# KiCad board rabbit_mask_capacitors.kicad_pcb (continued)
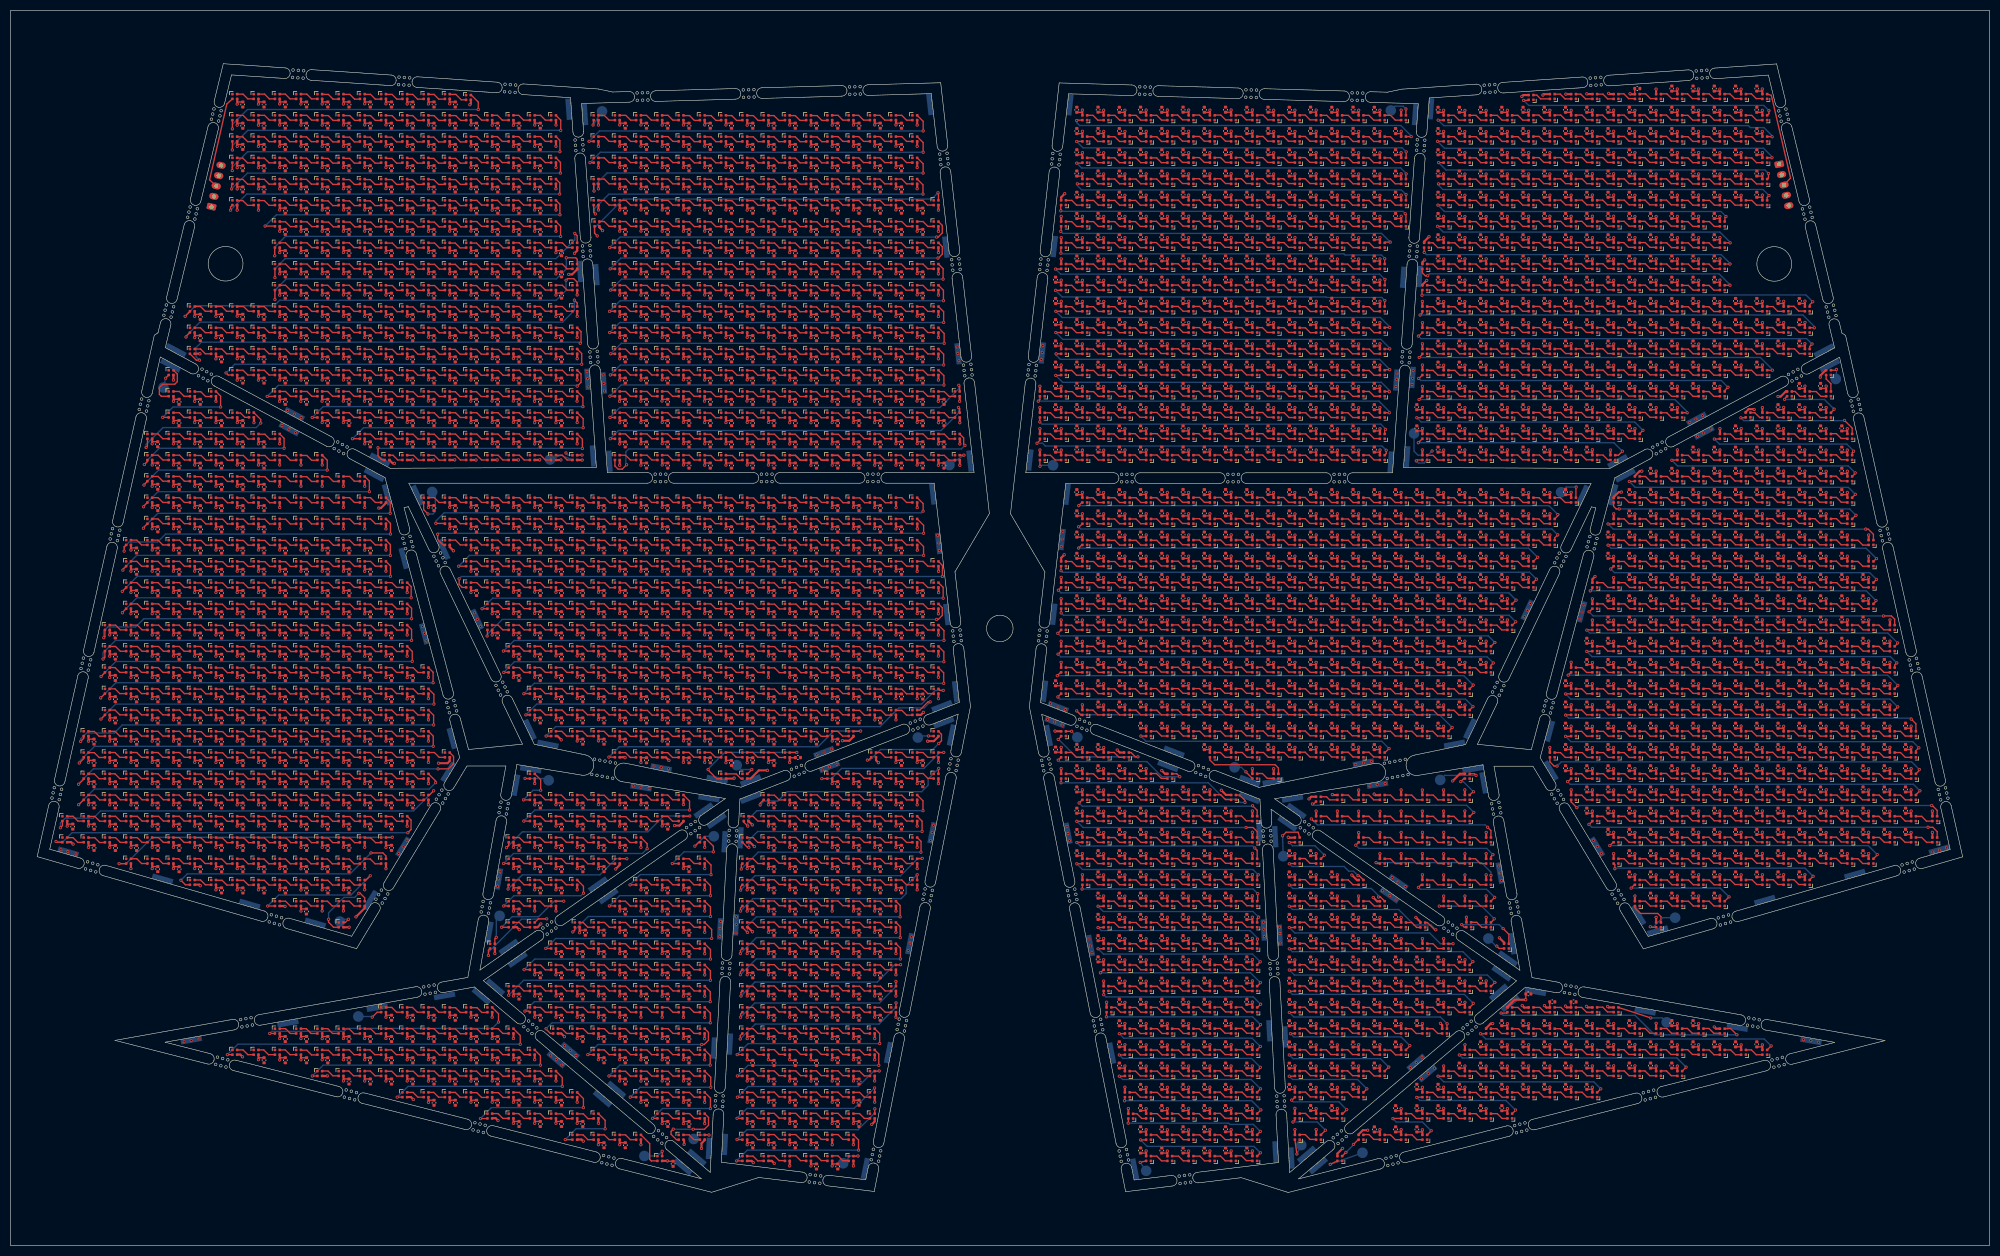
[diagram p0: board, top side]
## Placement (name value [footprint] x y rotation side) (continued)
C1485#843  0.1uF  [C_0402_1005Metric]  352.7 105.86 90 top
C1485#844  0.1uF  [C_0402_1005Metric]  139.7 62.86 270 top
C1485#845  0.1uF  [C_0402_1005Metric]  159.7 122.86 270 top
C1485#846  0.1uF  [C_0402_1005Metric]  236.7 129.86 90 top
C1485#847  0.1uF  [C_0402_1005Metric]  171.7 103.36 270 top
C1485#848  0.1uF  [C_0402_1005Metric]  99.7 174.86 270 top
C1485#849  0.1uF  [C_0402_1005Metric]  139.7 110.86 270 top
C1485#850  0.1uF  [C_0402_1005Metric]  159.7 30.86 270 top
C1485#851  0.1uF  [C_0402_1005Metric]  111.72 78.84 270 top
C1485#852  0.1uF  [C_0402_1005Metric]  123.7 102.86 270 top
C1485#853  0.1uF  [C_0402_1005Metric]  336.7 121.86 90 top
C1485#854  0.1uF  [C_0402_1005Metric]  320.7 141.86 90 top
C1485#855  0.1uF  [C_0402_1005Metric]  127.7 158.86 270 top
C1485#856  0.1uF  [C_0402_1005Metric]  320.7 89.86 90 top
C1485#857  0.1uF  [C_0402_1005Metric]  348.7 125.86 90 top
C1485#858  0.1uF  [C_0402_1005Metric]  284.7 177.86 90 top
C1485#859  0.1uF  [C_0402_1005Metric]  268.7 189.86 90 top
C1485#860  0.1uF  [C_0402_1005Metric]  39.72 106.84 270 top
C1485#861  0.1uF  [C_0402_1005Metric]  107.7 126.86 270 top
C1485#862  0.1uF  [C_0402_1005Metric]  256.7 181.86 90 top
C1485#863  0.1uF  [C_0402_1005Metric]  236.7 193.88 90 top
C1485#864  0.1uF  [C_0402_1005Metric]  99.7 106.86 270 top
C1485#865  0.1uF  [C_0402_1005Metric]  256.7 133.86 90 top
C1485#866  0.1uF  [C_0402_1005Metric]  143.7 170.86 270 top
C1485#867  0.1uF  [C_0402_1005Metric]  75.7 198.86 270 top
C1485#868  0.1uF  [C_0402_1005Metric]  143.7 206.86 270 top
C1485#869  0.1uF  [C_0402_1005Metric]  139.7 70.86 270 top
C1485#870  0.1uF  [C_0402_1005Metric]  316.7 77.86 90 top
C1485#871  0.1uF  [C_0402_1005Metric]  224.7 17.86 90 top
C1485#872  0.1uF  [C_0402_1005Metric]  212.7 17.86 90 top
C1485#873  0.1uF  [C_0402_1005Metric]  256.7 125.86 90 top
C1485#874  0.1uF  [C_0402_1005Metric]  71.7 86.86 270 top
C1485#875  0.1uF  [C_0402_1005Metric]  127.7 94.86 270 top
C1485#876  0.1uF  [C_0402_1005Metric]  240.7 57.84 90 top
C1485#877  0.1uF  [C_0402_1005Metric]  216.7 21.86 90 top
C1485#878  0.1uF  [C_0402_1005Metric]  79.7 38.86 270 top
C1485#879  0.1uF  [C_0402_1005Metric]  196.7 161.86 90 top
C1485#880  0.1uF  [C_0402_1005Metric]  159.7 162.86 270 top
C1485#881  0.1uF  [C_0402_1005Metric]  212.7 129.86 90 top
C1485#882  0.1uF  [C_0402_1005Metric]  312.7 197.86 90 top
C1485#883  0.1uF  [C_0402_1005Metric]  304.7 109.86 90 top
C1485#884  0.1uF  [C_0402_1005Metric]  123.7 150.84 270 top
C1485#885  0.1uF  [C_0402_1005Metric]  324.7 69.86 90 top
C1485#886  0.1uF  [C_0402_1005Metric]  300.7 161.86 90 top
C1485#887  0.1uF  [C_0402_1005Metric]  268.7 177.86 90 top
C1485#888  0.1uF  [C_0402_1005Metric]  204.7 189.88 90 top
C1485#889  0.1uF  [C_0402_1005Metric]  256.7 173.86 90 top
C1485#890  0.1uF  [C_0402_1005Metric]  131.7 174.86 270 top
C1485#891  0.1uF  [C_0402_1005Metric]  212.7 209.88 90 top
C1485#892  0.1uF  [C_0402_1005Metric]  115.7 202.86 270 top
C1485#893  0.1uF  [C_0402_1005Metric]  67.7 194.86 270 top
C1485#894  0.1uF  [C_0402_1005Metric]  151.7 46.86 270 top
C1485#895  0.1uF  [C_0402_1005Metric]  220.71 77.84 90 top
C1485#896  0.1uF  [C_0402_1005Metric]  232.7 49.86 90 top
C1485#897  0.1uF  [C_0402_1005Metric]  296.7 189.86 90 top
C1485#898  0.1uF  [C_0402_1005Metric]  99.7 182.86 270 top
C1485#899  0.1uF  [C_0402_1005Metric]  228.7 193.88 90 top
C1485#900  0.1uF  [C_0402_1005Metric]  95.7 126.86 270 top
C1485#901  0.1uF  [C_0402_1005Metric]  67.68 102.88 270 top
C1485#902  0.1uF  [C_0402_1005Metric]  224.7 29.84 90 top
C1485#903  0.1uF  [C_0402_1005Metric]  59.72 130.84 270 top
C1485#904  0.1uF  [C_0402_1005Metric]  159.7 130.86 270 top
C1485#905  0.1uF  [C_0402_1005Metric]  159.7 38.86 270 top
C1485#906  0.1uF  [C_0402_1005Metric]  284.7 201.86 90 top
C1485#907  0.1uF  [C_0402_1005Metric]  200.7 173.88 90 top
C1485#908  0.1uF  [C_0402_1005Metric]  123.7 98.86 270 top
C1485#909  0.1uF  [C_0402_1005Metric]  216.7 113.86 90 top
C1485#910  0.1uF  [C_0402_1005Metric]  328.7 145.86 90 top
C1485#911  0.1uF  [C_0402_1005Metric]  240.7 37.84 90 top
C1485#912  0.1uF  [C_0402_1005Metric]  240.7 201.86 90 top
C1485#913  0.1uF  [C_0402_1005Metric]  340.7 145.86 90 top
C1485#914  0.1uF  [C_0402_1005Metric]  31.72 90.84 270 top
C1485#915  0.1uF  [C_0402_1005Metric]  167.7 162.86 270 top
C1485#916  0.1uF  [C_0402_1005Metric]  312.7 65.86 90 top
C1485#917  0.1uF  [C_0402_1005Metric]  268.7 201.86 90 top
C1485#918  0.1uF  [C_0402_1005Metric]  119.7 210.86 270 top
C1485#919  0.1uF  [C_0402_1005Metric]  244.7 133.86 90 top
C1485#920  0.1uF  [C_0402_1005Metric]  119.7 38.86 270 top
C1485#921  0.1uF  [C_0402_1005Metric]  147.7 194.86 270 top
C1485#922  0.1uF  [C_0402_1005Metric]  312.7 213.86 90 top
C1485#923  0.1uF  [C_0402_1005Metric]  151.7 50.86 270 top
C1485#924  0.1uF  [C_0402_1005Metric]  47.72 94.84 270 top
C1485#925  0.1uF  [C_0402_1005Metric]  83.7 166.86 270 top
C1485#926  0.1uF  [C_0402_1005Metric]  123.7 66.86 270 top
C1485#927  0.1uF  [C_0402_1005Metric]  151.7 182.86 270 top
C1485#928  0.1uF  [C_0402_1005Metric]  336.7 153.86 90 top
C1485#929  0.1uF  [C_0402_1005Metric]  95.7 34.86 270 top
C1485#930  0.1uF  [C_0402_1005Metric]  220.7 49.86 90 top
C1485#931  0.1uF  [C_0402_1005Metric]  332.7 153.86 90 top
C1485#932  0.1uF  [C_0402_1005Metric]  51.72 130.84 270 top
C1485#933  0.1uF  [C_0402_1005Metric]  59.72 66.84 270 top
C1485#934  0.1uF  [C_0402_1005Metric]  268.7 137.86 90 top
C1485#935  0.1uF  [C_0402_1005Metric]  43.7 114.88 270 top
C1485#936  0.1uF  [C_0402_1005Metric]  232.7 57.86 90 top
C1485#937  0.1uF  [C_0402_1005Metric]  75.7 38.86 270 top
C1485#938  0.1uF  [C_0402_1005Metric]  248.7 93.84 90 top
C1485#939  0.1uF  [C_0402_1005Metric]  292.7 161.86 90 top
C1485#940  0.1uF  [C_0402_1005Metric]  252.7 149.86 90 top
C1485#941  0.1uF  [C_0402_1005Metric]  240.7 169.88 90 top
C1485#942  0.1uF  [C_0402_1005Metric]  131.7 91.36 270 top
C1485#943  0.1uF  [C_0402_1005Metric]  155.7 82.86 270 top
C1485#944  0.1uF  [C_0402_1005Metric]  99.7 162.86 270 top
C1485#945  0.1uF  [C_0402_1005Metric]  356.7 77.86 90 top
C1485#946  0.1uF  [C_0402_1005Metric]  43.72 94.84 270 top
C1485#947  0.1uF  [C_0402_1005Metric]  123.7 38.86 270 top
C1485#948  0.1uF  [C_0402_1005Metric]  171.7 122.86 270 top
C1485#949  0.1uF  [C_0402_1005Metric]  95.7 70.86 270 top
C1485#950  0.1uF  [C_0402_1005Metric]  244.7 33.84 90 top
C1485#951  0.1uF  [C_0402_1005Metric]  131.7 118.86 270 top
C1485#952  0.1uF  [C_0402_1005Metric]  143.7 58.86 270 top
C1485#953  0.1uF  [C_0402_1005Metric]  87.7 174.84 270 top
C1485#954  0.1uF  [C_0402_1005Metric]  264.7 125.86 90 top
C1485#955  0.1uF  [C_0402_1005Metric]  244.7 193.88 90 top
C1485#956  0.1uF  [C_0402_1005Metric]  308.7 193.86 90 top
C1485#957  0.1uF  [C_0402_1005Metric]  111.7 18.86 270 top
C1485#958  0.1uF  [C_0402_1005Metric]  163.7 110.86 270 top
C1485#959  0.1uF  [C_0402_1005Metric]  55.7 190.86 270 top
C1485#960  0.1uF  [C_0402_1005Metric]  103.7 118.86 270 top
C1485#961  0.1uF  [C_0402_1005Metric]  272.7 117.86 90 top
C1485#962  0.1uF  [C_0402_1005Metric]  312.7 69.86 90 top
C1485#963  0.1uF  [C_0402_1005Metric]  280.7 209.86 90 top
C1485#964  0.1uF  [C_0402_1005Metric]  59.7 174.84 270 top
C1485#965  0.1uF  [C_0402_1005Metric]  63.7 182.86 270 top
C1485#966  0.1uF  [C_0402_1005Metric]  260.71 21.84 90 top
C1485#967  0.1uF  [C_0402_1005Metric]  316.7 209.86 90 top
C1485#968  0.1uF  [C_0402_1005Metric]  196.7 169.86 90 top
C1485#969  0.1uF  [C_0402_1005Metric]  320.7 85.86 90 top
C1485#970  0.1uF  [C_0402_1005Metric]  312.7 93.86 90 top
C1485#971  0.1uF  [C_0402_1005Metric]  111.7 50.86 270 top
C1485#972  0.1uF  [C_0402_1005Metric]  151.7 190.86 270 top
C1485#973  0.1uF  [C_0402_1005Metric]  228.7 185.88 90 top
C1485#974  0.1uF  [C_0402_1005Metric]  208.7 37.86 90 top
C1485#975  0.1uF  [C_0402_1005Metric]  216.7 57.86 90 top
C1485#976  0.1uF  [C_0402_1005Metric]  300.7 77.86 90 top
C1485#977  0.1uF  [C_0402_1005Metric]  200.7 189.86 90 top
C1485#978  0.1uF  [C_0402_1005Metric]  51.68 70.88 270 top
C1485#979  0.1uF  [C_0402_1005Metric]  55.7 38.86 270 top
C1485#980  0.1uF  [C_0402_1005Metric]  248.7 173.88 90 top
C1485#981  0.1uF  [C_0402_1005Metric]  340.7 125.86 90 top
C1485#982  0.1uF  [C_0402_1005Metric]  51.7 182.86 270 top
C1485#983  0.1uF  [C_0402_1005Metric]  200.7 141.86 90 top
C1485#984  0.1uF  [C_0402_1005Metric]  220.7 181.86 90 top
C1485#985  0.1uF  [C_0402_1005Metric]  344.7 77.86 90 top
C1485#986  0.1uF  [C_0402_1005Metric]  212.7 53.86 90 top
C1485#987  0.1uF  [C_0402_1005Metric]  320.7 213.86 90 top
C1485#988  0.1uF  [C_0402_1005Metric]  196.7 165.86 90 top
C1485#989  0.1uF  [C_0402_1005Metric]  107.72 74.84 270 top
C1485#990  0.1uF  [C_0402_1005Metric]  328.7 113.86 90 top
C1485#991  0.1uF  [C_0402_1005Metric]  147.7 138.86 270 top
C1485#992  0.1uF  [C_0402_1005Metric]  55.7 186.86 270 top
C1485#993  0.1uF  [C_0402_1005Metric]  55.72 98.84 270 top
C1485#994  0.1uF  [C_0402_1005Metric]  75.7 166.86 270 top
C1485#995  0.1uF  [C_0402_1005Metric]  288.7 205.86 90 top
C1485#996  0.1uF  [C_0402_1005Metric]  212.7 57.86 90 top
C1485#997  0.1uF  [C_0402_1005Metric]  328.7 173.86 90 top
C1485#998  0.1uF  [C_0402_1005Metric]  216.7 61.86 90 top
C1485#999  0.1uF  [C_0402_1005Metric]  288.7 193.86 90 top
C1485#1000  0.1uF  [C_0402_1005Metric]  35.72 130.84 270 top
C1485#1001  0.1uF  [C_0402_1005Metric]  35.72 126.84 270 top
C1485#1002  0.1uF  [C_0402_1005Metric]  151.7 114.86 270 top
C1485#1003  0.1uF  [C_0402_1005Metric]  256.7 193.86 90 top
C1485#1004  0.1uF  [C_0402_1005Metric]  312.7 161.86 90 top
C1485#1005  0.1uF  [C_0402_1005Metric]  131.7 190.86 270 top
C1485#1006  0.1uF  [C_0402_1005Metric]  224.7 137.86 90 top
C1485#1007  0.1uF  [C_0402_1005Metric]  63.72 126.86 270 top
C1485#1008  0.1uF  [C_0402_1005Metric]  276.7 177.86 90 top
C1485#1009  0.1uF  [C_0402_1005Metric]  47.7 150.86 270 top
C1485#1010  0.1uF  [C_0402_1005Metric]  312.7 113.86 90 top
C1485#1011  0.1uF  [C_0402_1005Metric]  147.7 42.86 270 top
C1485#1012  0.1uF  [C_0402_1005Metric]  204.7 205.88 90 top
C1485#1013  0.1uF  [C_0402_1005Metric]  204.7 113.86 90 top
C1485#1014  0.1uF  [C_0402_1005Metric]  23.72 90.84 270 top
C1485#1015  0.1uF  [C_0402_1005Metric]  208.71 101.86 90 top
C1485#1016  0.1uF  [C_0402_1005Metric]  336.7 97.86 90 top
C1485#1017  0.1uF  [C_0402_1005Metric]  43.7 154.86 270 top
C1485#1018  0.1uF  [C_0402_1005Metric]  83.7 154.86 270 top
C1485#1019  0.1uF  [C_0402_1005Metric]  280.7 169.86 90 top
C1485#1020  0.1uF  [C_0402_1005Metric]  256.7 197.86 90 top
C1485#1021  0.1uF  [C_0402_1005Metric]  212.7 25.86 90 top
C1485#1022  0.1uF  [C_0402_1005Metric]  224.7 85.86 90 top
C1485#1023  0.1uF  [C_0402_1005Metric]  316.7 97.86 90 top
C1485#1024  0.1uF  [C_0402_1005Metric]  159.7 210.86 270 top
C1485#1025  0.1uF  [C_0402_1005Metric]  252.7 205.88 90 top
C1485#1026  0.1uF  [C_0402_1005Metric]  292.7 169.86 90 top
C1485#1027  0.1uF  [C_0402_1005Metric]  224.7 197.86 90 top
C1485#1028  0.1uF  [C_0402_1005Metric]  216.7 149.88 90 top
C1485#1029  0.1uF  [C_0402_1005Metric]  27.72 122.84 270 top
C1485#1030  0.1uF  [C_0402_1005Metric]  51.72 94.84 270 top
C1485#1031  0.1uF  [C_0402_1005Metric]  83.7 198.86 270 top
C1485#1032  0.1uF  [C_0402_1005Metric]  292.7 33.86 90 top
C1485#1033  0.1uF  [C_0402_1005Metric]  163.7 114.86 270 top
C1485#1034  0.1uF  [C_0402_1005Metric]  119.7 134.86 270 top
C1485#1035  0.1uF  [C_0402_1005Metric]  284.7 141.86 90 top
C1485#1036  0.1uF  [C_0402_1005Metric]  212.7 189.88 90 top
C1485#1037  0.1uF  [C_0402_1005Metric]  200.7 201.86 90 top
C1485#1038  0.1uF  [C_0402_1005Metric]  196.7 105.86 90 top
C1485#1039  0.1uF  [C_0402_1005Metric]  107.7 138.86 270 top
C1485#1040  0.1uF  [C_0402_1005Metric]  328.7 109.86 90 top
C1485#1041  0.1uF  [C_0402_1005Metric]  272.7 189.86 90 top
C1485#1042  0.1uF  [C_0402_1005Metric]  220.7 197.88 90 top
C1485#1043  0.1uF  [C_0402_1005Metric]  288.7 181.86 90 top
C1485#1044  0.1uF  [C_0402_1005Metric]  139.7 166.86 270 top
C1485#1045  0.1uF  [C_0402_1005Metric]  135.7 162.86 270 top
C1485#1046  0.1uF  [C_0402_1005Metric]  288.7 29.86 90 top
C1485#1047  0.1uF  [C_0402_1005Metric]  208.7 133.86 90 top
C1485#1048  0.1uF  [C_0402_1005Metric]  71.7 158.86 270 top
C1485#1049  0.1uF  [C_0402_1005Metric]  284.7 205.86 90 top
C1485#1050  0.1uF  [C_0402_1005Metric]  248.7 157.88 90 top
C1485#1051  0.1uF  [C_0402_1005Metric]  127.7 146.86 270 top
C1485#1052  0.1uF  [C_0402_1005Metric]  55.7 34.86 270 top
C1485#1053  0.1uF  [C_0402_1005Metric]  171.7 146.86 270 top
C1485#1054  0.1uF  [C_0402_1005Metric]  304.7 41.86 90 top
C1485#1055  0.1uF  [C_0402_1005Metric]  284.7 149.86 90 top
C1485#1056  0.1uF  [C_0402_1005Metric]  119.7 150.84 270 top
C1485#1057  0.1uF  [C_0402_1005Metric]  308.7 81.86 90 top
C1485#1058  0.1uF  [C_0402_1005Metric]  71.7 162.86 270 top
C1485#1059  0.1uF  [C_0402_1005Metric]  312.7 89.86 90 top
C1485#1060  0.1uF  [C_0402_1005Metric]  95.7 114.86 270 top
C1485#1061  0.1uF  [C_0402_1005Metric]  256.7 169.86 90 top
C1485#1062  0.1uF  [C_0402_1005Metric]  216.71 77.84 90 top
C1485#1063  0.1uF  [C_0402_1005Metric]  99.7 194.86 270 top
C1485#1064  0.1uF  [C_0402_1005Metric]  75.7 106.86 270 top
C1485#1065  0.1uF  [C_0402_1005Metric]  316.7 165.86 90 top
C1485#1066  0.1uF  [C_0402_1005Metric]  224.7 169.88 90 top
C1485#1067  0.1uF  [C_0402_1005Metric]  19.7 102.86 270 top
C1485#1068  0.1uF  [C_0402_1005Metric]  244.7 201.88 90 top
C1485#1069  0.1uF  [C_0402_1005Metric]  163.7 178.86 270 top
C1485#1070  0.1uF  [C_0402_1005Metric]  240.7 73.86 90 top
C1485#1071  0.1uF  [C_0402_1005Metric]  119.7 198.86 270 top
C1485#1072  0.1uF  [C_0402_1005Metric]  139.7 118.86 270 top
C1485#1073  0.1uF  [C_0402_1005Metric]  260.7 137.86 90 top
C1485#1074  0.1uF  [C_0402_1005Metric]  208.7 105.86 90 top
C1485#1075  0.1uF  [C_0402_1005Metric]  324.7 205.86 90 top
C1485#1076  0.1uF  [C_0402_1005Metric]  51.72 78.84 270 top
C1485#1077  0.1uF  [C_0402_1005Metric]  123.7 206.86 270 top
C1485#1078  0.1uF  [C_0402_1005Metric]  119.7 66.86 270 top
C1485#1079  0.1uF  [C_0402_1005Metric]  147.7 66.86 270 top
C1485#1080  0.1uF  [C_0402_1005Metric]  83.69 30.86 270 top
C1485#1081  0.1uF  [C_0402_1005Metric]  151.7 158.86 270 top
C1485#1082  0.1uF  [C_0402_1005Metric]  167.7 106.86 270 top
C1485#1083  0.1uF  [C_0402_1005Metric]  256.7 49.84 90 top
C1485#1084  0.1uF  [C_0402_1005Metric]  71.7 34.86 270 top
C1485#1085  0.1uF  [C_0402_1005Metric]  232.7 41.84 90 top
C1485#1086  0.1uF  [C_0402_1005Metric]  320.7 117.86 90 top
C1485#1087  0.1uF  [C_0402_1005Metric]  163.7 122.86 270 top
C1485#1088  0.1uF  [C_0402_1005Metric]  308.7 165.86 90 top
C1485#1089  0.1uF  [C_0402_1005Metric]  208.7 61.86 90 top
C1485#1090  0.1uF  [C_0402_1005Metric]  272.7 49.84 90 top
C1485#1091  0.1uF  [C_0402_1005Metric]  256.7 185.86 90 top
C1485#1092  0.1uF  [C_0402_1005Metric]  320.7 197.86 90 top
C1485#1093  0.1uF  [C_0402_1005Metric]  71.7 166.86 270 top
C1485#1094  0.1uF  [C_0402_1005Metric]  312.7 133.86 90 top
C1485#1095  0.1uF  [C_0402_1005Metric]  87.7 206.86 270 top
C1485#1096  0.1uF  [C_0402_1005Metric]  232.7 169.88 90 top
C1485#1097  0.1uF  [C_0402_1005Metric]  87.7 30.86 270 top
C1485#1098  0.1uF  [C_0402_1005Metric]  236.7 149.86 90 top
C1485#1099  0.1uF  [C_0402_1005Metric]  159.7 102.86 270 top
C1485#1100  0.1uF  [C_0402_1005Metric]  91.7 166.86 270 top
C1485#1101  0.1uF  [C_0402_1005Metric]  55.7 182.86 270 top
C1485#1102  0.1uF  [C_0402_1005Metric]  248.7 117.86 90 top
C1485#1103  0.1uF  [C_0402_1005Metric]  204.7 213.88 90 top
C1485#1104  0.1uF  [C_0402_1005Metric]  131.7 194.86 270 top
C1485#1105  0.1uF  [C_0402_1005Metric]  99.72 66.84 270 top
C1485#1106  0.1uF  [C_0402_1005Metric]  260.7 61.84 90 top
C1485#1107  0.1uF  [C_0402_1005Metric]  256.7 161.86 90 top
C1485#1108  0.1uF  [C_0402_1005Metric]  228.7 205.88 90 top
C1485#1109  0.1uF  [C_0402_1005Metric]  67.72 122.84 270 top
C1485#1110  0.1uF  [C_0402_1005Metric]  332.7 129.86 90 top
C1485#1111  0.1uF  [C_0402_1005Metric]  111.7 114.86 270 top
C1485#1112  0.1uF  [C_0402_1005Metric]  111.7 54.86 270 top
C1485#1113  0.1uF  [C_0402_1005Metric]  151.7 62.86 270 top
C1485#1114  0.1uF  [C_0402_1005Metric]  159.7 26.86 270 top
C1485#1115  0.1uF  [C_0402_1005Metric]  336.7 89.86 90 top
C1485#1116  0.1uF  [C_0402_1005Metric]  135.7 146.86 270 top
C1485#1117  0.1uF  [C_0402_1005Metric]  300.7 189.86 90 top
C1485#1118  0.1uF  [C_0402_1005Metric]  111.7 46.86 270 top
C1485#1119  0.1uF  [C_0402_1005Metric]  352.7 101.86 90 top
C1485#1120  0.1uF  [C_0402_1005Metric]  220.7 201.88 90 top
C1485#1121  0.1uF  [C_0402_1005Metric]  43.72 118.84 270 top
C1485#1122  0.1uF  [C_0402_1005Metric]  320.7 173.86 90 top
C1485#1123  0.1uF  [C_0402_1005Metric]  288.7 141.86 90 top
C1485#1124  0.1uF  [C_0402_1005Metric]  95.7 26.86 270 top
C1485#1125  0.1uF  [C_0402_1005Metric]  75.7 190.86 270 top
C1485#1126  0.1uF  [C_0402_1005Metric]  163.7 66.86 270 top
C1485#1127  0.1uF  [C_0402_1005Metric]  332.7 141.86 90 top
C1485#1128  0.1uF  [C_0402_1005Metric]  83.7 178.84 270 top
C1485#1129  0.1uF  [C_0402_1005Metric]  328.7 177.86 90 top
C1485#1130  0.1uF  [C_0402_1005Metric]  59.72 122.84 270 top
C1485#1131  0.1uF  [C_0402_1005Metric]  99.7 30.86 270 top
C1485#1132  0.1uF  [C_0402_1005Metric]  204.7 93.86 90 top
C1485#1133  0.1uF  [C_0402_1005Metric]  324.7 85.86 90 top
C1485#1134  0.1uF  [C_0402_1005Metric]  39.72 70.84 270 top
C1485#1135  0.1uF  [C_0402_1005Metric]  292.7 189.86 90 top
C1485#1136  0.1uF  [C_0402_1005Metric]  304.7 37.86 90 top
C1485#1137  0.1uF  [C_0402_1005Metric]  27.7 142.86 270 top
C1485#1138  0.1uF  [C_0402_1005Metric]  216.71 73.86 90 top
C1485#1139  0.1uF  [C_0402_1005Metric]  59.7 178.84 270 top
C1485#1140  0.1uF  [C_0402_1005Metric]  196.7 149.86 90 top
C1485#1141  0.1uF  [C_0402_1005Metric]  264.71 25.84 90 top
C1485#1142  0.1uF  [C_0402_1005Metric]  31.72 134.84 270 top
C1485#1143  0.1uF  [C_0402_1005Metric]  43.7 210.86 270 top
C1485#1144  0.1uF  [C_0402_1005Metric]  296.7 37.86 90 top
C1485#1145  0.1uF  [C_0402_1005Metric]  103.7 26.86 270 top
C1485#1146  0.1uF  [C_0402_1005Metric]  119.7 118.86 270 top
C1485#1147  0.1uF  [C_0402_1005Metric]  244.7 205.88 90 top
C1485#1148  0.1uF  [C_0402_1005Metric]  244.7 173.86 90 top
C1485#1149  0.1uF  [C_0402_1005Metric]  228.7 157.86 90 top
C1485#1150  0.1uF  [C_0402_1005Metric]  51.7 158.86 270 top
C1485#1151  0.1uF  [C_0402_1005Metric]  308.7 113.86 90 top
C1485#1152  0.1uF  [C_0402_1005Metric]  228.7 65.86 90 top
C1485#1153  0.1uF  [C_0402_1005Metric]  240.7 161.88 90 top
C1485#1154  0.1uF  [C_0402_1005Metric]  115.7 98.86 270 top
C1485#1155  0.1uF  [C_0402_1005Metric]  99.7 166.86 270 top
C1485#1156  0.1uF  [C_0402_1005Metric]  228.7 117.86 90 top
C1485#1157  0.1uF  [C_0402_1005Metric]  244.7 177.86 90 top
C1485#1158  0.1uF  [C_0402_1005Metric]  320.7 145.86 90 top
C1485#1159  0.1uF  [C_0402_1005Metric]  155.7 66.86 270 top
C1485#1160  0.1uF  [C_0402_1005Metric]  252.7 57.84 90 top
C1485#1161  0.1uF  [C_0402_1005Metric]  324.7 145.86 90 top
C1485#1162  0.1uF  [C_0402_1005Metric]  95.69 30.86 270 top
C1485#1163  0.1uF  [C_0402_1005Metric]  328.7 69.86 90 top
C1485#1164  0.1uF  [C_0402_1005Metric]  232.7 93.84 90 top
C1485#1165  0.1uF  [C_0402_1005Metric]  67.7 30.86 270 top
C1485#1166  0.1uF  [C_0402_1005Metric]  55.72 94.84 270 top
C1485#1167  0.1uF  [C_0402_1005Metric]  204.7 161.86 90 top
C1485#1168  0.1uF  [C_0402_1005Metric]  87.7 210.86 270 top
C1485#1169  0.1uF  [C_0402_1005Metric]  79.7 198.86 270 top
C1485#1170  0.1uF  [C_0402_1005Metric]  163.7 166.86 270 top
C1485#1171  0.1uF  [C_0402_1005Metric]  83.7 202.86 270 top
C1485#1172  0.1uF  [C_0402_1005Metric]  236.7 213.88 90 top
C1485#1173  0.1uF  [C_0402_1005Metric]  340.7 89.86 90 top
C1485#1174  0.1uF  [C_0402_1005Metric]  356.7 81.86 90 top
C1485#1175  0.1uF  [C_0402_1005Metric]  284.7 157.86 90 top
C1485#1176  0.1uF  [C_0402_1005Metric]  75.7 186.86 270 top
C1485#1177  0.1uF  [C_0402_1005Metric]  244.7 29.84 90 top
C1485#1178  0.1uF  [C_0402_1005Metric]  352.7 97.86 90 top
C1485#1179  0.1uF  [C_0402_1005Metric]  127.7 34.86 270 top
C1485#1180  0.1uF  [C_0402_1005Metric]  208.7 189.86 90 top
C1485#1181  0.1uF  [C_0402_1005Metric]  155.7 118.86 270 top
C1485#1182  0.1uF  [C_0402_1005Metric]  47.7 174.86 270 top
C1485#1183  0.1uF  [C_0402_1005Metric]  272.7 177.86 90 top
C1485#1184  0.1uF  [C_0402_1005Metric]  320.7 121.86 90 top
C1485#1185  0.1uF  [C_0402_1005Metric]  155.7 170.86 270 top
C1485#1186  0.1uF  [C_0402_1005Metric]  256.7 33.86 90 top
C1485#1187  0.1uF  [C_0402_1005Metric]  220.7 125.86 90 top
C1485#1188  0.1uF  [C_0402_1005Metric]  51.7 186.86 270 top
C1485#1189  0.1uF  [C_0402_1005Metric]  71.7 154.86 270 top
C1485#1190  0.1uF  [C_0402_1005Metric]  308.7 129.86 90 top
C1485#1191  0.1uF  [C_0402_1005Metric]  99.7 170.86 270 top
C1485#1192  0.1uF  [C_0402_1005Metric]  103.7 54.86 270 top
C1485#1193  0.1uF  [C_0402_1005Metric]  163.7 78.86 270 top
C1485#1194  0.1uF  [C_0402_1005Metric]  216.7 213.86 90 top
C1485#1195  0.1uF  [C_0402_1005Metric]  115.7 174.86 270 top
C1485#1196  0.1uF  [C_0402_1005Metric]  212.7 69.86 90 top
C1485#1197  0.1uF  [C_0402_1005Metric]  27.72 126.84 270 top
C1485#1198  0.1uF  [C_0402_1005Metric]  51.7 198.86 270 top
C1485#1199  0.1uF  [C_0402_1005Metric]  79.7 162.86 270 top
C1485#1200  0.1uF  [C_0402_1005Metric]  280.7 117.86 90 top
C1485#1201  0.1uF  [C_0402_1005Metric]  159.7 166.86 270 top
C1485#1202  0.1uF  [C_0402_1005Metric]  204.7 117.86 90 top
C1485#1203  0.1uF  [C_0402_1005Metric]  216.7 25.86 90 top
C1485#1204  0.1uF  [C_0402_1005Metric]  103.7 106.86 270 top
C1485#1205  0.1uF  [C_0402_1005Metric]  159.7 86.86 270 top
C1485#1206  0.1uF  [C_0402_1005Metric]  256.7 177.86 90 top
C1485#1207  0.1uF  [C_0402_1005Metric]  244.7 57.84 90 top
C1485#1208  0.1uF  [C_0402_1005Metric]  320.7 69.86 90 top
C1485#1209  0.1uF  [C_0402_1005Metric]  171.7 90.86 270 top
C1485#1210  0.1uF  [C_0402_1005Metric]  135.7 110.86 270 top
C1485#1211  0.1uF  [C_0402_1005Metric]  352.7 113.86 90 top
C1485#1212  0.1uF  [C_0402_1005Metric]  171.7 190.86 270 top
C1485#1213  0.1uF  [C_0402_1005Metric]  324.7 165.86 90 top
C1485#1214  0.1uF  [C_0402_1005Metric]  200.7 125.86 90 top
C1485#1215  0.1uF  [C_0402_1005Metric]  51.72 98.84 270 top
C1485#1216  0.1uF  [C_0402_1005Metric]  155.7 122.86 270 top
C1485#1217  0.1uF  [C_0402_1005Metric]  256.7 165.86 90 top
C1485#1218  0.1uF  [C_0402_1005Metric]  232.7 97.86 90 top
C1485#1219  0.1uF  [C_0402_1005Metric]  47.72 74.84 270 top
C1485#1220  0.1uF  [C_0402_1005Metric]  167.7 150.86 270 top
C1485#1221  0.1uF  [C_0402_1005Metric]  296.7 185.86 90 top
C1485#1222  0.1uF  [C_0402_1005Metric]  27.72 98.84 270 top
C1485#1223  0.1uF  [C_0402_1005Metric]  119.7 146.86 270 top
C1485#1224  0.1uF  [C_0402_1005Metric]  212.7 165.86 90 top
C1485#1225  0.1uF  [C_0402_1005Metric]  228.7 141.88 90 top
C1485#1226  0.1uF  [C_0402_1005Metric]  260.7 105.86 90 top
C1485#1227  0.1uF  [C_0402_1005Metric]  240.7 137.86 90 top
C1485#1228  0.1uF  [C_0402_1005Metric]  147.7 18.86 270 top
C1485#1229  0.1uF  [C_0402_1005Metric]  248.7 213.86 90 top
C1485#1230  0.1uF  [C_0402_1005Metric]  67.7 202.86 270 top
C1485#1231  0.1uF  [C_0402_1005Metric]  228.7 133.86 90 top
C1485#1232  0.1uF  [C_0402_1005Metric]  47.7 210.86 270 top
C1485#1233  0.1uF  [C_0402_1005Metric]  59.7 202.86 270 top
C1485#1234  0.1uF  [C_0402_1005Metric]  244.7 149.86 90 top
C1485#1235  0.1uF  [C_0402_1005Metric]  268.7 117.86 90 top
C1485#1236  0.1uF  [C_0402_1005Metric]  95.7 202.86 270 top
C1485#1237  0.1uF  [C_0402_1005Metric]  280.7 165.86 90 top
C1485#1238  0.1uF  [C_0402_1005Metric]  163.7 70.86 270 top
C1485#1239  0.1uF  [C_0402_1005Metric]  332.7 93.86 90 top
C1485#1240  0.1uF  [C_0402_1005Metric]  240.7 189.86 90 top
C1485#1241  0.1uF  [C_0402_1005Metric]  115.7 150.84 270 top
C1485#1242  0.1uF  [C_0402_1005Metric]  55.72 90.84 270 top
C1485#1243  0.1uF  [C_0402_1005Metric]  280.7 193.86 90 top
C1485#1244  0.1uF  [C_0402_1005Metric]  131.7 98.86 270 top
C1485#1245  0.1uF  [C_0402_1005Metric]  115.7 126.86 270 top
C1485#1246  0.1uF  [C_0402_1005Metric]  147.7 134.86 270 top
C1485#1247  0.1uF  [C_0402_1005Metric]  200.7 121.86 90 top
C1485#1248  0.1uF  [C_0402_1005Metric]  232.71 101.86 90 top
C1485#1249  0.1uF  [C_0402_1005Metric]  119.7 91.36 270 top
C1485#1250  0.1uF  [C_0402_1005Metric]  280.7 125.86 90 top
C1485#1251  0.1uF  [C_0402_1005Metric]  288.7 157.86 90 top
C1485#1252  0.1uF  [C_0402_1005Metric]  244.7 105.86 90 top
C1485#1253  0.1uF  [C_0402_1005Metric]  103.7 22.86 270 top
C1485#1254  0.1uF  [C_0402_1005Metric]  280.7 141.86 90 top
C1485#1255  0.1uF  [C_0402_1005Metric]  204.7 105.86 90 top
C1485#1256  0.1uF  [C_0402_1005Metric]  216.7 33.86 90 top
C1485#1257  0.1uF  [C_0402_1005Metric]  232.7 149.88 90 top
C1485#1258  0.1uF  [C_0402_1005Metric]  71.7 206.86 270 top
C1485#1259  0.1uF  [C_0402_1005Metric]  224.7 165.88 90 top